# KiCad board design.kicad_pcb
date: 2023-11-12; rev: v1.1; note: Designed by: Shp Athula Kumara; note: www.fiverr.com/jakky91
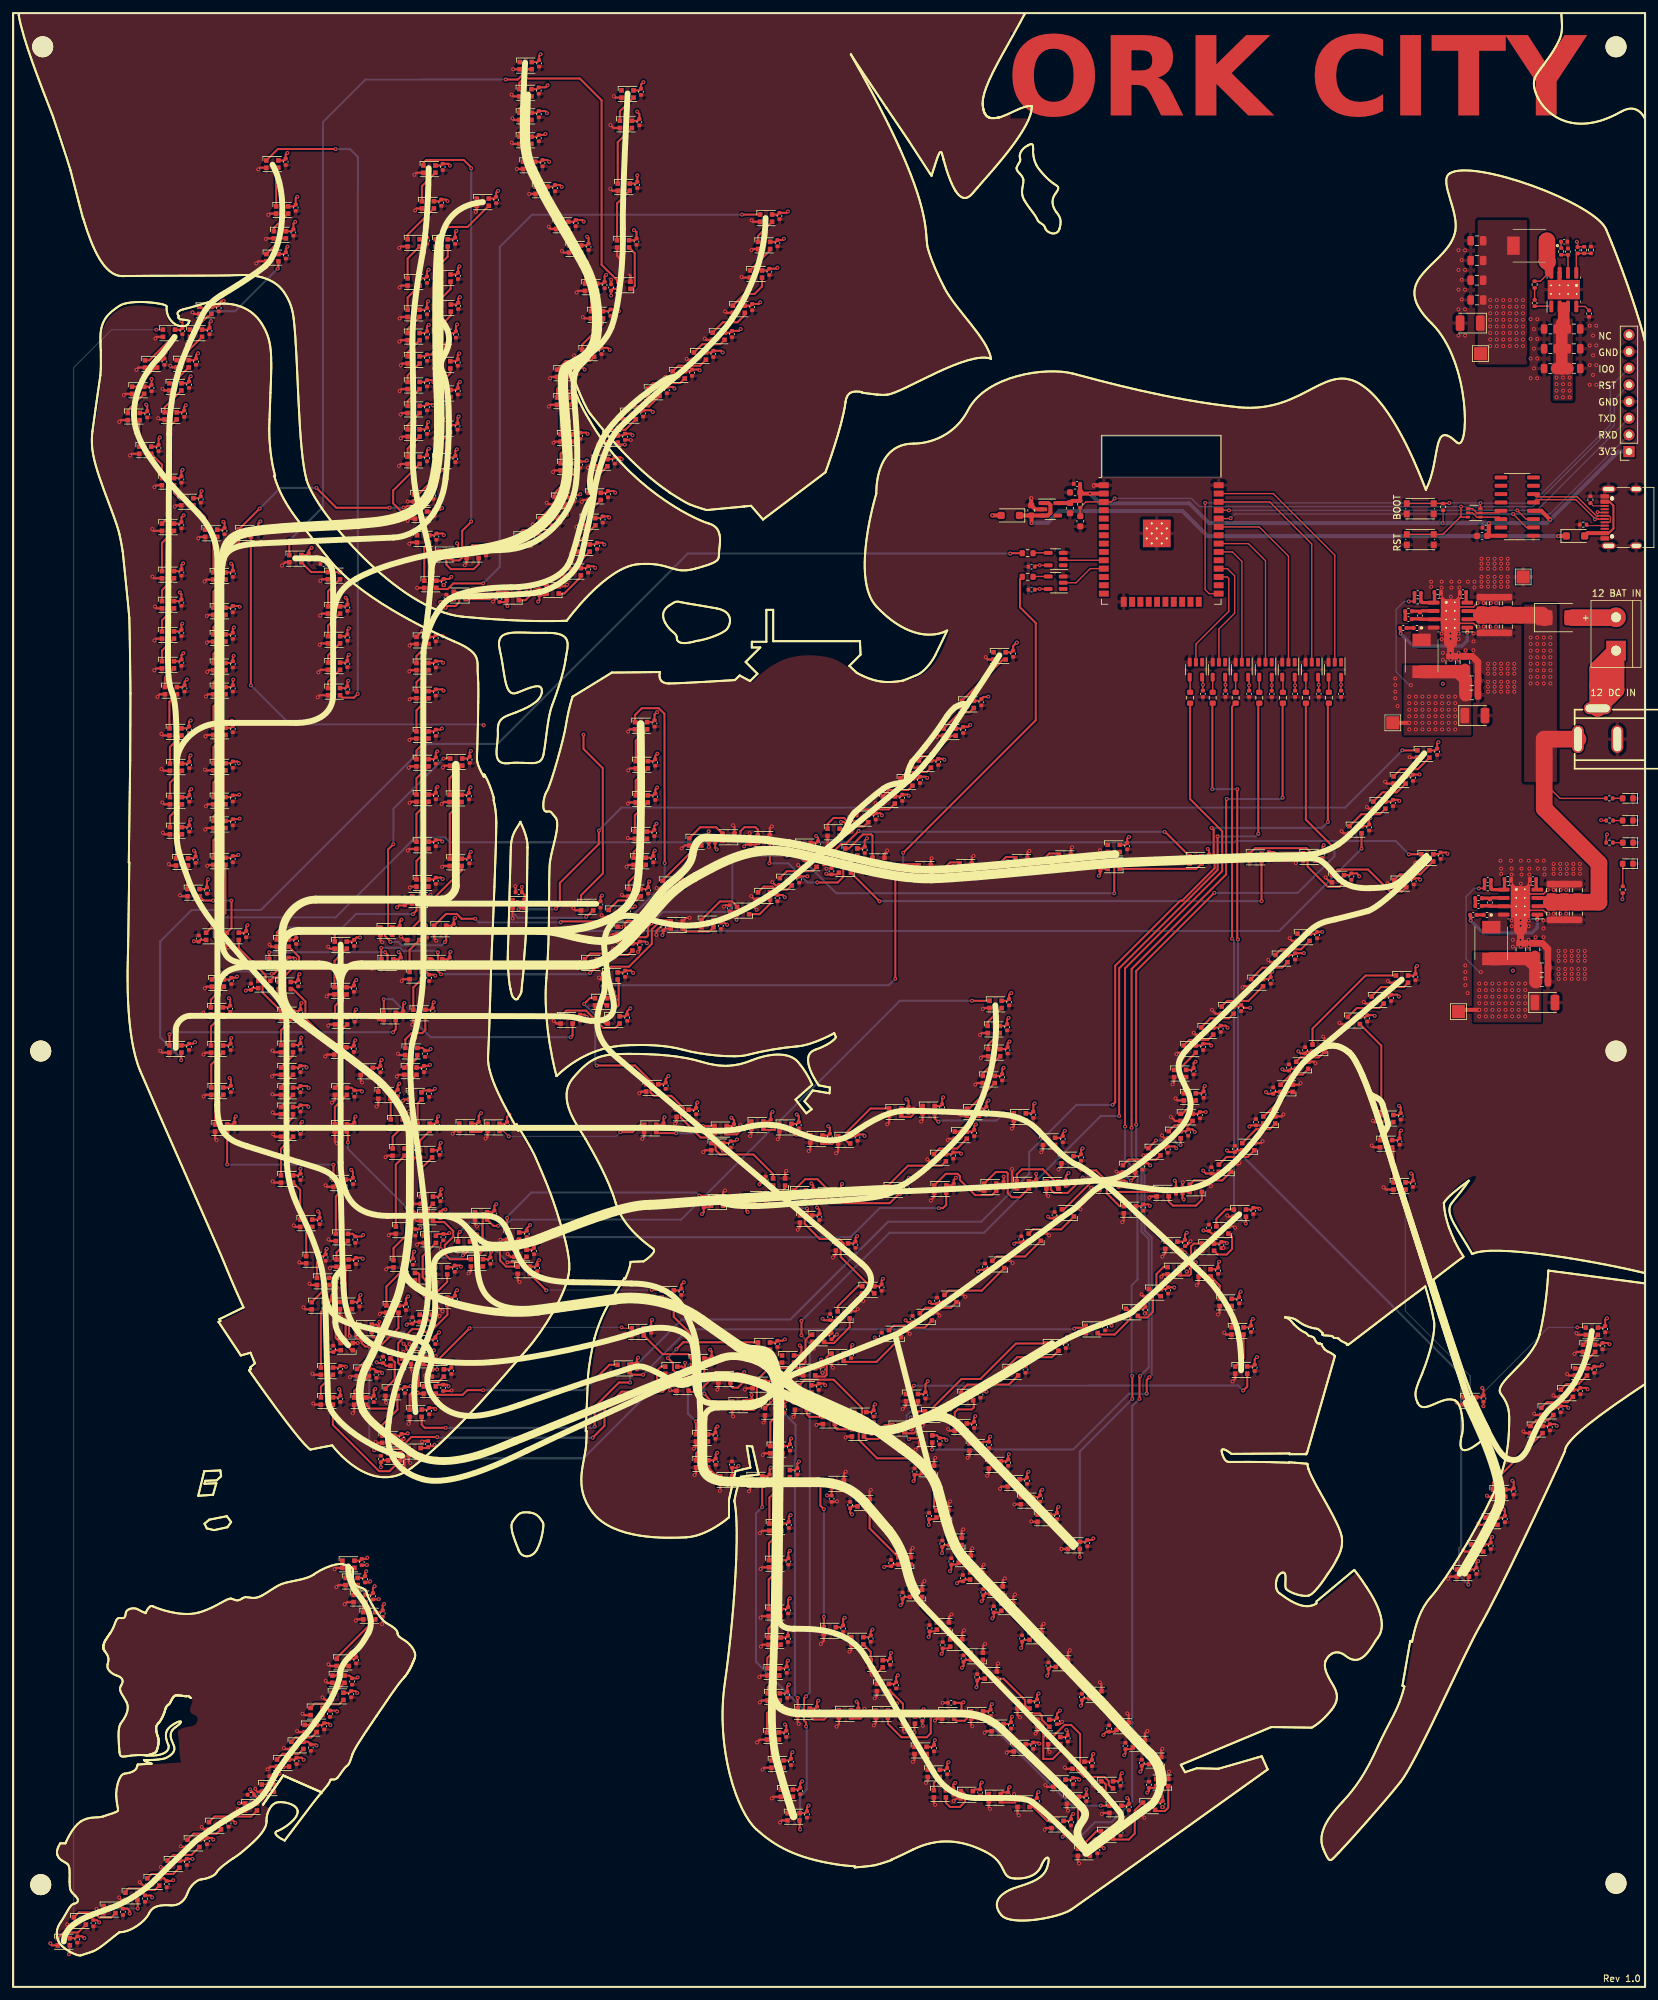
[diagram p0: board, top side]
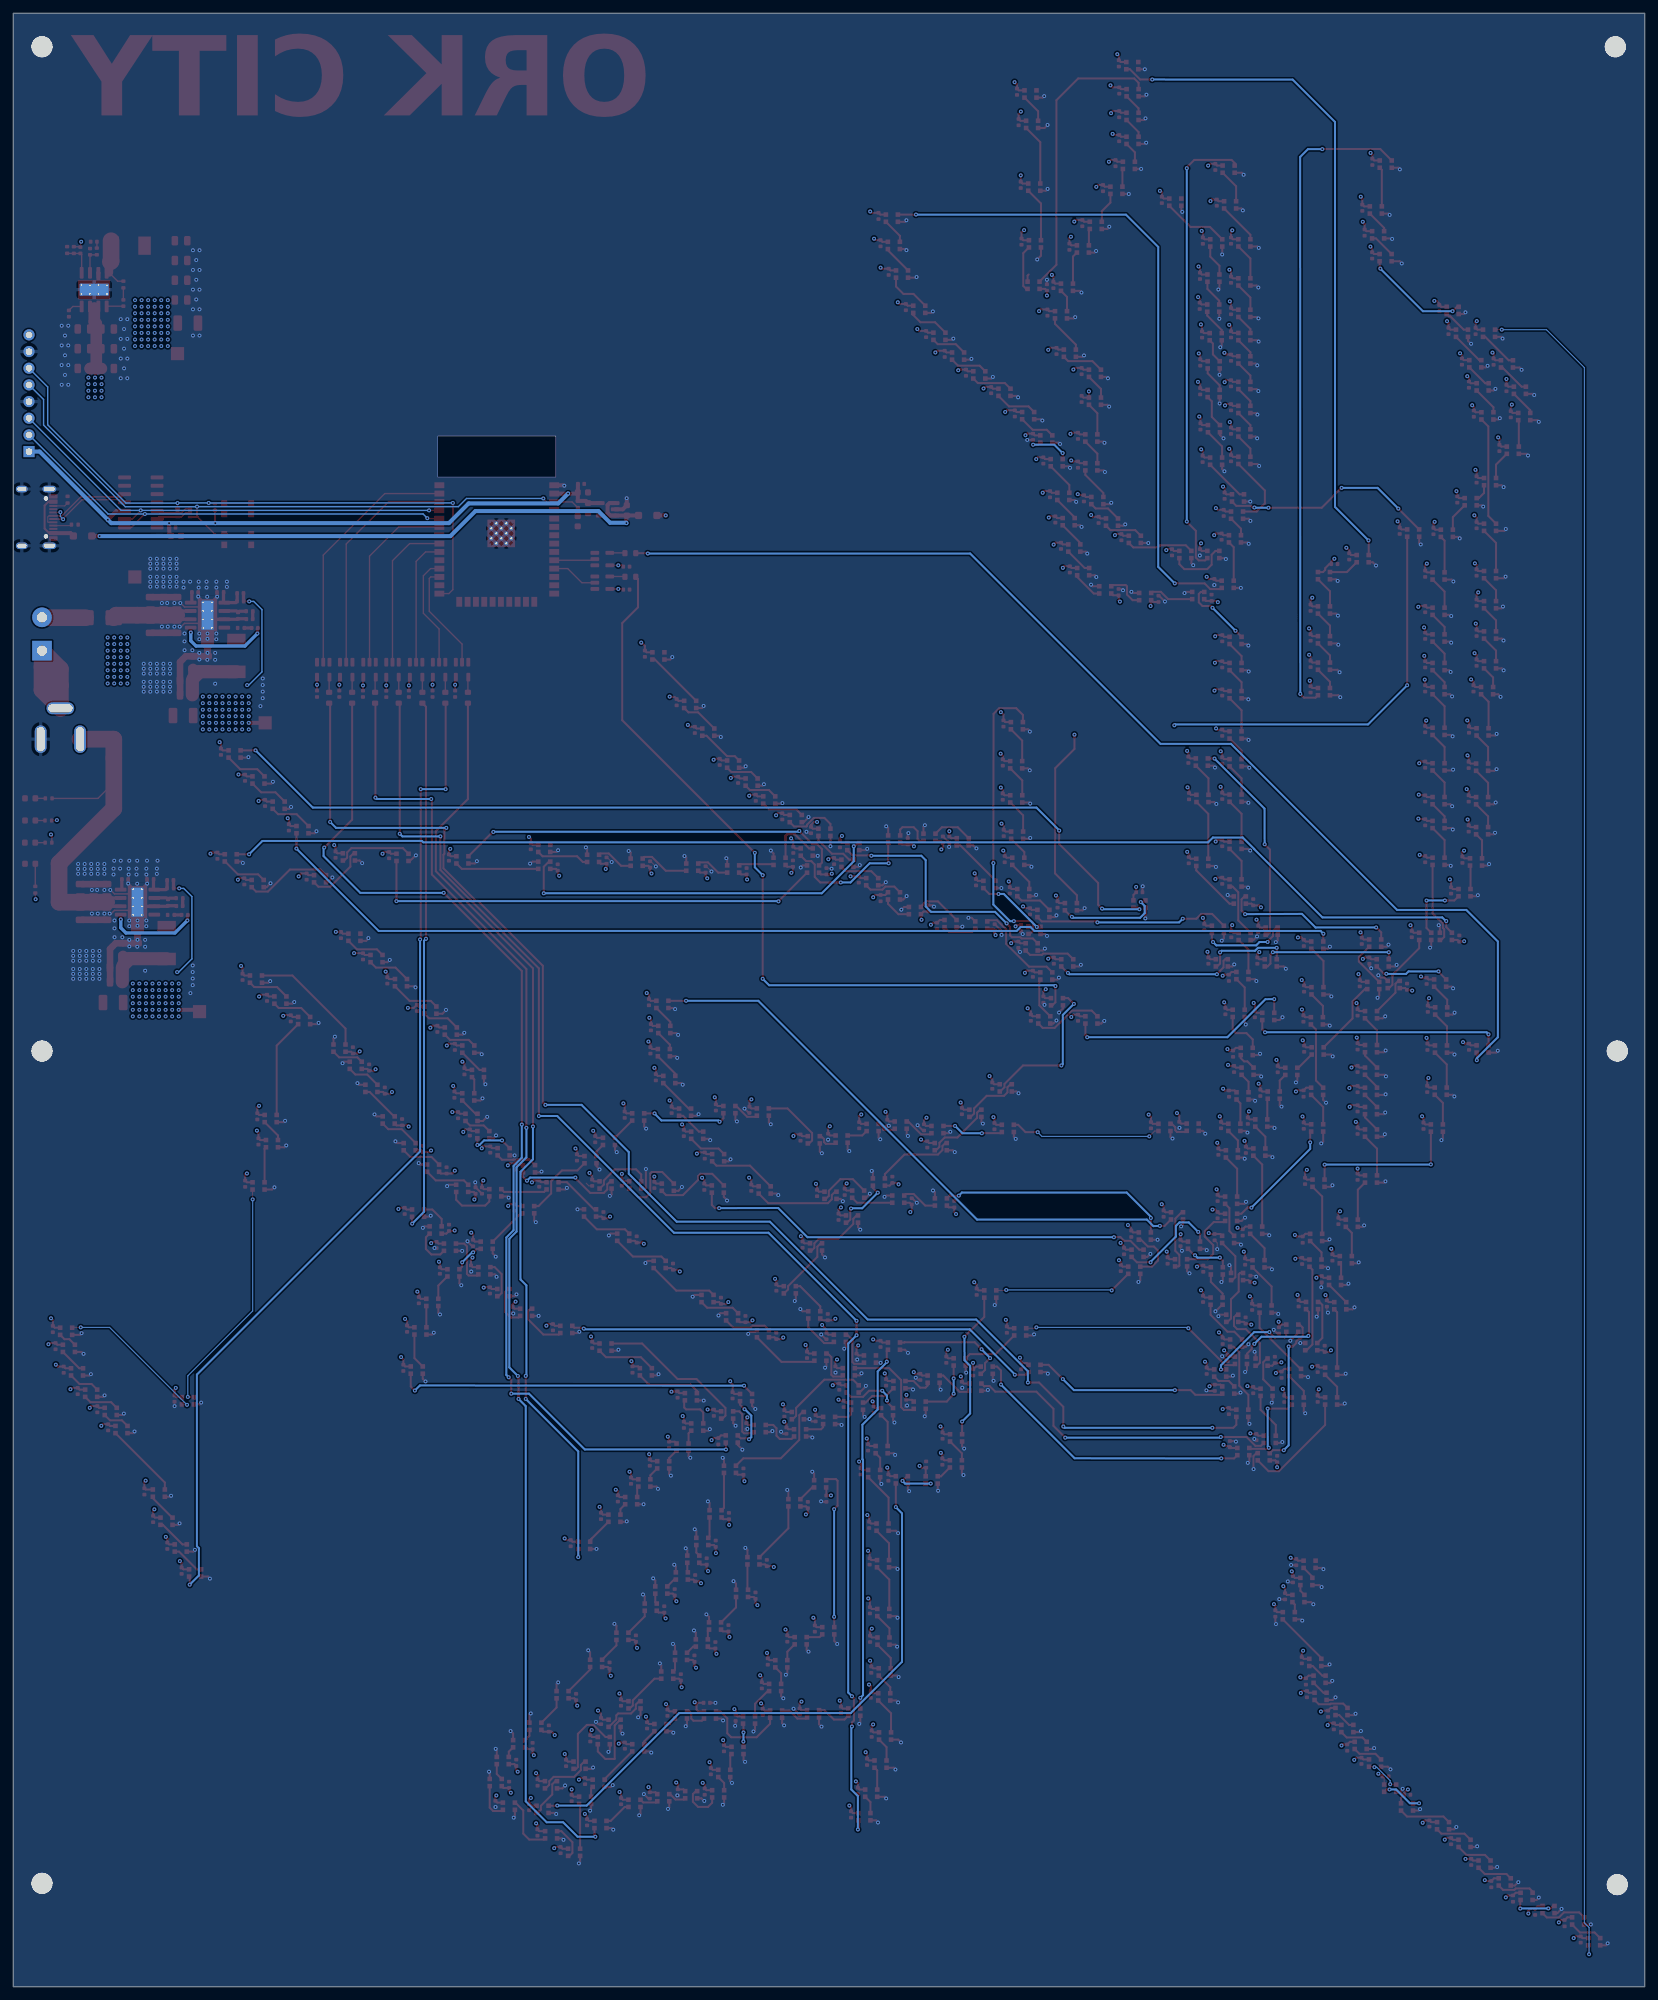
[diagram p1: board, bottom side, seen from below]

Outline 248.6 x 300.7 mm; copper layers: Top, In1.Cu, In2.Cu, Bottom. Coordinates in mm from the lower left corner of the outline.
Outline path: rectangle 0,300.7 248.6,0
Stack: Top 0.035mm / dielectric 0.1mm FR4 er 4.5 / In1.Cu 0.035mm / dielectric 1.24mm FR4 er 4.5 / In2.Cu 0.035mm / dielectric 0.1mm FR4 er 4.5 / Bottom 0.035mm

## Placement (name value [footprint] x y rotation side)
C1  10uF  [C_0603_1608Metric]  223.8 221.05 180 top
C2  0.1uF  [C_0402_1005Metric]  224.34 222.31 180 top
C3  0.1uF  [C_0402_1005Metric]  162.07 228.97 180 top
C4  10uF  [C_0603_1608Metric]  161.79 227.68 180 top
C5  1uF  [C_0603_1608Metric]  162.58 223.28 270 top
C6  10uF  [C_0603_1608Metric]  155.1 224.94 90 top
C7  10uF  [C_0603_1608Metric]  161.01 225.28 270 top
C8  100u  [CP_EIA-3528-21_Kemet-B]  222.7 193.68 0 top
C9  10u 35v  [C_0805_2012Metric]  219.04 201.78 90 top
C10  10u 35v  [C_0805_2012Metric]  221.19 201.78 90 top
C11  10u 35v  [C_0805_2012Metric]  222.22 196.83 0 top
C12  10u 35v  [C_0805_2012Metric]  222.24 198.98 0 top
C13  0.1uF  [C_0402_1005Metric]  211.79 207.03 180 top
C14  nf  [C_0402_1005Metric]  213.99 212.33 0 top
C15  10u 35v  [C_0805_2012Metric]  223.69 207.23 270 top
C16  10u 35v  [C_0805_2012Metric]  223.69 210.78 90 top
C17  10u 35v  [C_0805_2012Metric]  225.67 210.78 90 top
C18  10u 35v  [C_0805_2012Metric]  225.67 207.23 270 top
C19  10u 35v  [C_0805_2012Metric]  227.67 210.78 90 top
C20  10u 35v  [C_0805_2012Metric]  227.67 207.23 270 top
C21  0.1uF  [C_0402_1005Metric]  220.89 212.48 180 top
C22  nf  [C_0402_1005Metric]  214.34 208.92 270 top
C23  1.2nF  [C_0402_1005Metric]  212.59 208.38 0 top
C24  100u  [CP_EIA-3528-21_Kemet-B]  233.37 149.96 0 top
C25  10u 35v  [C_0805_2012Metric]  229.7 158.06 90 top
C26  10u 35v  [C_0805_2012Metric]  231.85 158.06 90 top
C27  10u 35v  [C_0805_2012Metric]  232.89 153.11 0 top
C28  10u 35v  [C_0805_2012Metric]  232.9 155.26 0 top
C29  0.1uF  [C_0402_1005Metric]  222.45 163.31 180 top
C30  nf  [C_0402_1005Metric]  224.65 168.61 0 top
C31  10u 35v  [C_0805_2012Metric]  234.35 163.51 270 top
C32  10u 35v  [C_0805_2012Metric]  234.35 167.06 90 top
C33  10u 35v  [C_0805_2012Metric]  236.34 167.06 90 top
C34  10u 35v  [C_0805_2012Metric]  236.34 163.51 270 top
C35  10u 35v  [C_0805_2012Metric]  238.34 167.06 90 top
C36  10u 35v  [C_0805_2012Metric]  238.34 163.51 270 top
C37  0.1uF  [C_0402_1005Metric]  231.55 168.76 180 top
C38  nf  [C_0402_1005Metric]  225 165.2 270 top
C39  1.2nF  [C_0402_1005Metric]  223.25 164.66 0 top
C40  100u  [CP_EIA-3528-21_Kemet-B]  221.98 253.47 180 top
C41  10u 35v  [C_0805_2012Metric]  223.01 256.99 180 top
C42  10u 35v  [C_0805_2012Metric]  223.01 260 180 top
C43  10u 35v  [C_0805_2012Metric]  223.01 263.01 180 top
C44  10u 35v  [C_0805_2012Metric]  223.01 266.02 180 top
C45  0.1uF  [C_0402_1005Metric]  231.8 256.53 270 top
C46  nf  [C_0402_1005Metric]  238.35 264.57 270 top
C47  10u 35v  [C_0805_2012Metric]  234.2 246.55 180 top
C48  10u 35v  [C_0805_2012Metric]  234.2 249.56 180 top
C49  10u 35v  [C_0805_2012Metric]  234.2 252.57 180 top
C50  10u 35v  [C_0805_2012Metric]  237.8 252.58 0 top
C51  10u 35v  [C_0805_2012Metric]  237.8 249.57 0 top
C52  10u 35v  [C_0805_2012Metric]  237.8 246.56 0 top
C53  0.1uF  [C_0402_1005Metric]  240.1 254.92 270 top
C54  nf  [C_0402_1005Metric]  236.88 264.35 90 top
C55  1.2nF  [C_0402_1005Metric]  236.31 265.87 0 top
C56  0.1uF  [C_0402_1005Metric]  163.66 67.6 270 top
C57  0.1uF  [C_0402_1005Metric]  159.03 71.74 270 top
C58  0.1uF  [C_0402_1005Metric]  156.47 74.41 270 top
C59  0.1uF  [C_0402_1005Metric]  154.46 77.11 270 top
C60  0.1uF  [C_0402_1005Metric]  151.6 79.87 270 top
C61  0.1uF  [C_0402_1005Metric]  148.66 82.57 270 top
C62  0.1uF  [C_0402_1005Metric]  146.41 85.63 270 top
C63  0.1uF  [C_0402_1005Metric]  147.37 90.24 270 top
C64  0.1uF  [C_0402_1005Metric]  154.24 94.05 270 top
C65  0.1uF  [C_0402_1005Metric]  160.38 97.81 270 top
C66  0.1uF  [C_0402_1005Metric]  141.85 87.47 270 top
C67  0.1uF  [C_0402_1005Metric]  136.9 85.4 270 top
C68  0.1uF  [C_0402_1005Metric]  130.79 84.74 270 top
C69  0.1uF  [C_0402_1005Metric]  126.34 86.63 270 top
C70  0.1uF  [C_0402_1005Metric]  122.06 88.81 270 top
C71  0.1uF  [C_0402_1005Metric]  115.6 92.09 270 top
C72  0.1uF  [C_0402_1005Metric]  110.39 92.93 270 top
C73  0.1uF  [C_0402_1005Metric]  104.05 91.71 270 top
C74  0.1uF  [C_0402_1005Metric]  59.18 83.76 270 top
C75  0.1uF  [C_0402_1005Metric]  59.67 90.92 270 top
C76  0.1uF  [C_0402_1005Metric]  56.37 95.52 90 top
C77  0.1uF  [C_0402_1005Metric]  60.83 101.52 90 top
C78  0.1uF  [C_0402_1005Metric]  60.1 107.88 90 top
C79  0.1uF  [C_0402_1005Metric]  65.55 114.22 270 top
C80  0.1uF  [C_0402_1005Metric]  65.09 120.19 270 top
C81  0.1uF  [C_0402_1005Metric]  64.98 127.24 270 top
C82  0.1uF  [C_0402_1005Metric]  64.57 131.29 270 top
C83  0.1uF  [C_0402_1005Metric]  63.35 136.08 270 top
C84  0.1uF  [C_0402_1005Metric]  62.59 139.84 270 top
C85  0.1uF  [C_0402_1005Metric]  62.74 142.17 270 top
C86  0.1uF  [C_0402_1005Metric]  63.91 148.66 270 top
C87  0.1uF  [C_0402_1005Metric]  63.37 153.73 270 top
C88  0.1uF  [C_0402_1005Metric]  63.01 160.37 270 top
C89  0.1uF  [C_0402_1005Metric]  64.39 168.52 270 top
C90  0.1uF  [C_0402_1005Metric]  64.39 174.26 270 top
C91  0.1uF  [C_0402_1005Metric]  64.39 181.44 270 top
C92  0.1uF  [C_0402_1005Metric]  64.39 186.83 270 top
C93  0.1uF  [C_0402_1005Metric]  64.39 191.07 270 top
C94  0.1uF  [C_0402_1005Metric]  64.39 197.21 270 top
C95  0.1uF  [C_0402_1005Metric]  64.39 201.49 270 top
C96  0.1uF  [C_0402_1005Metric]  64.39 205.47 270 top
C97  0.1uF  [C_0402_1005Metric]  66.02 211.63 90 top
C98  0.1uF  [C_0402_1005Metric]  74.1 211.47 90 top
C99  0.1uF  [C_0402_1005Metric]  80.18 212.49 90 top
C100  0.1uF  [C_0402_1005Metric]  87.61 215.95 270 top
C101  0.1uF  [C_0402_1005Metric]  88.95 219.55 270 top
C102  0.1uF  [C_0402_1005Metric]  89.82 223.56 270 top
C103  0.1uF  [C_0402_1005Metric]  90.63 227.41 270 top
C104  0.1uF  [C_0402_1005Metric]  91.65 232.55 270 top
C105  0.1uF  [C_0402_1005Metric]  93.22 236.16 270 top
C106  0.1uF  [C_0402_1005Metric]  95.99 239.72 270 top
C107  0.1uF  [C_0402_1005Metric]  99.6 243.27 270 top
C108  0.1uF  [C_0402_1005Metric]  103.43 245.92 270 top
C109  0.1uF  [C_0402_1005Metric]  106.67 248.79 270 top
C110  0.1uF  [C_0402_1005Metric]  109.51 251.81 270 top
C111  0.1uF  [C_0402_1005Metric]  112.59 255.92 270 top
C112  0.1uF  [C_0402_1005Metric]  115.21 261.29 270 top
C113  0.1uF  [C_0402_1005Metric]  116.45 265.65 270 top
C114  0.1uF  [C_0402_1005Metric]  116.76 269.8 270 top
C115  0.1uF  [C_0402_1005Metric]  181.26 197 270 top
C116  0.1uF  [C_0402_1005Metric]  95.66 288.72 270 top
C117  0.1uF  [C_0402_1005Metric]  95.41 284.09 270 top
C118  0.1uF  [C_0402_1005Metric]  95.09 274.53 270 top
C119  0.1uF  [C_0402_1005Metric]  94.97 265.89 270 top
C120  0.1uF  [C_0402_1005Metric]  91.1 258.9 90 top
C121  0.1uF  [C_0402_1005Metric]  80.08 288.91 270 top
C122  0.1uF  [C_0402_1005Metric]  80.09 285.31 270 top
C123  0.1uF  [C_0402_1005Metric]  80.09 281.66 270 top
C124  0.1uF  [C_0402_1005Metric]  80.66 277.85 270 top
C125  0.1uF  [C_0402_1005Metric]  82.55 274.05 270 top
C126  0.1uF  [C_0402_1005Metric]  85.71 268.71 270 top
C127  0.1uF  [C_0402_1005Metric]  87.67 265.11 270 top
C128  0.1uF  [C_0402_1005Metric]  90.11 259.28 270 top
C129  0.1uF  [C_0402_1005Metric]  91.02 255.08 270 top
C130  0.1uF  [C_0402_1005Metric]  89.64 249.23 270 top
C131  0.1uF  [C_0402_1005Metric]  85.81 246.17 270 top
C132  0.1uF  [C_0402_1005Metric]  85.81 241.92 270 top
C133  0.1uF  [C_0402_1005Metric]  86.37 236.31 270 top
C134  0.1uF  [C_0402_1005Metric]  86.37 231.92 270 top
C135  0.1uF  [C_0402_1005Metric]  85.46 226.78 270 top
C136  0.1uF  [C_0402_1005Metric]  83.22 223.5 270 top
C137  0.1uF  [C_0402_1005Metric]  79.75 220.87 270 top
C138  0.1uF  [C_0402_1005Metric]  72.04 218.56 270 top
C139  0.1uF  [C_0402_1005Metric]  67.79 218.56 270 top
C140  0.1uF  [C_0402_1005Metric]  65.45 277.27 270 top
C141  0.1uF  [C_0402_1005Metric]  65.22 271.83 270 top
C142  0.1uF  [C_0402_1005Metric]  63.05 266.04 270 top
C143  0.1uF  [C_0402_1005Metric]  63.05 260.09 270 top
C144  0.1uF  [C_0402_1005Metric]  63.05 255.3 270 top
C145  0.1uF  [C_0402_1005Metric]  63.05 251.76 270 top
C146  0.1uF  [C_0402_1005Metric]  63.05 248.21 270 top
C147  0.1uF  [C_0402_1005Metric]  63.05 244.31 270 top
C148  0.1uF  [C_0402_1005Metric]  63.05 240.66 270 top
C149  0.1uF  [C_0402_1005Metric]  63.05 237.08 270 top
C150  0.1uF  [C_0402_1005Metric]  63.05 232.9 270 top
C151  0.1uF  [C_0402_1005Metric]  64.17 224.56 270 top
C152  0.1uF  [C_0402_1005Metric]  64.49 220.95 270 top
C153  0.1uF  [C_0402_1005Metric]  65.59 214.02 270 top
C154  0.1uF  [C_0402_1005Metric]  184.7 197 270 top
C155  0.1uF  [C_0402_1005Metric]  222.93 63.4 270 top
C156  0.1uF  [C_0402_1005Metric]  225.11 67.2 270 top
C157  0.1uF  [C_0402_1005Metric]  227.27 71.28 270 top
C158  0.1uF  [C_0402_1005Metric]  228.6 75.48 270 top
C159  0.1uF  [C_0402_1005Metric]  234.12 85.25 270 top
C160  0.1uF  [C_0402_1005Metric]  235.77 88.01 270 top
C161  0.1uF  [C_0402_1005Metric]  238.76 90.78 270 top
C162  0.1uF  [C_0402_1005Metric]  240.9 94.03 270 top
C163  0.1uF  [C_0402_1005Metric]  242.14 97.62 270 top
C164  0.1uF  [C_0402_1005Metric]  242.55 100.22 270 top
C165  0.1uF  [C_0402_1005Metric]  224.01 89.63 270 top
C166  0.1uF  [C_0402_1005Metric]  213.25 122.36 270 top
C167  0.1uF  [C_0402_1005Metric]  211.22 128.8 270 top
C168  0.1uF  [C_0402_1005Metric]  211.4 132.63 270 top
C169  0.1uF  [C_0402_1005Metric]  206.3 147.56 270 top
C170  0.1uF  [C_0402_1005Metric]  209.92 150.68 270 top
C171  0.1uF  [C_0402_1005Metric]  213.65 153.87 270 top
C172  0.1uF  [C_0402_1005Metric]  196.84 142.68 90 top
C173  0.1uF  [C_0402_1005Metric]  194.36 140.06 90 top
C174  0.1uF  [C_0402_1005Metric]  191.97 136.55 90 top
C175  0.1uF  [C_0402_1005Metric]  189.34 131.73 90 top
C176  0.1uF  [C_0402_1005Metric]  186.13 127.66 90 top
C177  0.1uF  [C_0402_1005Metric]  182.56 124.39 90 top
C178  0.1uF  [C_0402_1005Metric]  178.15 121.32 90 top
C179  0.1uF  [C_0402_1005Metric]  177.17 121.32 270 top
C180  0.1uF  [C_0402_1005Metric]  168.44 122.38 270 top
C181  0.1uF  [C_0402_1005Metric]  158.66 117.57 90 top
C182  0.1uF  [C_0402_1005Metric]  153.6 113.87 90 top
C183  0.1uF  [C_0402_1005Metric]  148.06 109.72 90 top
C184  0.1uF  [C_0402_1005Metric]  140.76 104.53 90 top
C185  0.1uF  [C_0402_1005Metric]  137.03 101.74 90 top
C186  0.1uF  [C_0402_1005Metric]  132.32 99.17 90 top
C187  0.1uF  [C_0402_1005Metric]  127.65 96.28 270 top
C188  0.1uF  [C_0402_1005Metric]  123.32 94.05 270 top
C189  0.1uF  [C_0402_1005Metric]  112.53 88.96 270 top
C190  0.1uF  [C_0402_1005Metric]  106.42 95.55 270 top
C191  0.1uF  [C_0402_1005Metric]  97.2 100.13 270 top
C192  0.1uF  [C_0402_1005Metric]  63.58 95.79 270 top
C193  0.1uF  [C_0402_1005Metric]  52.75 104.14 270 top
C194  0.1uF  [C_0402_1005Metric]  48.78 97.2 90 top
C195  0.1uF  [C_0402_1005Metric]  52.22 110.6 270 top
C196  0.1uF  [C_0402_1005Metric]  52.13 113.84 270 top
C197  0.1uF  [C_0402_1005Metric]  51.77 122.78 270 top
C198  0.1uF  [C_0402_1005Metric]  33.73 131.18 270 top
C199  0.1uF  [C_0402_1005Metric]  33.16 136.8 270 top
C200  0.1uF  [C_0402_1005Metric]  33.13 143.22 270 top
C201  0.1uF  [C_0402_1005Metric]  33.07 149.02 270 top
C202  0.1uF  [C_0402_1005Metric]  33.25 153.27 270 top
C203  0.1uF  [C_0402_1005Metric]  41.97 156.35 270 top
C204  0.1uF  [C_0402_1005Metric]  59.04 156.35 270 top
C205  0.1uF  [C_0402_1005Metric]  66.5 156.35 270 top
C206  0.1uF  [C_0402_1005Metric]  90.05 156.35 270 top
C207  0.1uF  [C_0402_1005Metric]  95.45 158.78 270 top
C208  0.1uF  [C_0402_1005Metric]  122.63 174.07 270 top
C209  0.1uF  [C_0402_1005Metric]  165.63 170.54 90 top
C210  0.1uF  [C_0402_1005Metric]  182.2 172.04 270 top
C211  0.1uF  [C_0402_1005Metric]  124.68 169.96 90 top
C212  0.1uF  [C_0402_1005Metric]  191.32 172.42 270 top
C213  0.1uF  [C_0402_1005Metric]  199.48 172.49 270 top
C214  0.1uF  [C_0402_1005Metric]  203.89 169.16 270 top
C215  0.1uF  [C_0402_1005Metric]  213.38 168.43 270 top
C216  0.1uF  [C_0402_1005Metric]  217.48 172.34 270 top
C217  0.1uF  [C_0402_1005Metric]  53.12 64.72 270 top
C218  0.1uF  [C_0402_1005Metric]  53.62 62.1 270 top
C219  0.1uF  [C_0402_1005Metric]  54.82 59.51 270 top
C220  0.1uF  [C_0402_1005Metric]  56.3 56.88 270 top
C221  0.1uF  [C_0402_1005Metric]  52.27 49.77 270 top
C222  0.1uF  [C_0402_1005Metric]  51.64 46.53 270 top
C223  0.1uF  [C_0402_1005Metric]  51.49 44.6 270 top
C224  0.1uF  [C_0402_1005Metric]  48.27 41.61 270 top
C225  0.1uF  [C_0402_1005Metric]  47.39 39.7 270 top
C226  0.1uF  [C_0402_1005Metric]  45.35 36.45 270 top
C227  0.1uF  [C_0402_1005Metric]  43.18 34.44 270 top
C228  0.1uF  [C_0402_1005Metric]  39.5 32.07 180 top
C229  0.1uF  [C_0402_1005Metric]  36.2 29.27 180 top
C230  0.1uF  [C_0402_1005Metric]  32.83 24.89 270 top
C231  0.1uF  [C_0402_1005Metric]  29.52 22.21 270 top
C232  0.1uF  [C_0402_1005Metric]  26.46 19.04 270 top
C233  0.1uF  [C_0402_1005Metric]  23.4 15.65 270 top
C234  0.1uF  [C_0402_1005Metric]  20.09 13.45 270 top
C235  0.1uF  [C_0402_1005Metric]  16.72 11.44 270 top
C236  0.1uF  [C_0402_1005Metric]  12.23 9.7 270 top
C237  0.1uF  [C_0402_1005Metric]  9.78 7.22 270 top
C238  0.1uF  [C_0402_1005Metric]  25.79 252.27 270 top
C239  0.1uF  [C_0402_1005Metric]  23.05 247.6 270 top
C240  0.1uF  [C_0402_1005Metric]  21.09 243.58 270 top
C241  0.1uF  [C_0402_1005Metric]  20.43 239.58 270 top
C242  0.1uF  [C_0402_1005Metric]  22.16 234.45 270 top
C243  0.1uF  [C_0402_1005Metric]  25.64 229.65 270 top
C244  0.1uF  [C_0402_1005Metric]  28.58 226.6 270 top
C245  0.1uF  [C_0402_1005Metric]  32.21 221.79 270 top
C246  0.1uF  [C_0402_1005Metric]  33.47 215.29 270 top
C247  0.1uF  [C_0402_1005Metric]  33.47 209.91 270 top
C248  0.1uF  [C_0402_1005Metric]  33.47 205.84 270 top
C249  0.1uF  [C_0402_1005Metric]  33.47 201.49 270 top
C250  0.1uF  [C_0402_1005Metric]  33.47 197.82 270 top
C251  0.1uF  [C_0402_1005Metric]  33.47 191.62 270 top
C252  0.1uF  [C_0402_1005Metric]  33.47 186.21 270 top
C253  0.1uF  [C_0402_1005Metric]  33.47 181.06 270 top
C254  0.1uF  [C_0402_1005Metric]  33.47 177.43 270 top
C255  0.1uF  [C_0402_1005Metric]  33.47 171.82 270 top
C256  0.1uF  [C_0402_1005Metric]  28.27 159.71 90 top
C257  0.1uF  [C_0402_1005Metric]  188.94 118.22 270 top
C258  0.1uF  [C_0402_1005Metric]  182.19 115.65 90 top
C259  0.1uF  [C_0402_1005Metric]  184.09 113.03 270 top
C260  0.1uF  [C_0402_1005Metric]  178.84 109.44 270 top
C261  0.1uF  [C_0402_1005Metric]  175.96 106.11 270 top
C262  0.1uF  [C_0402_1005Metric]  172.5 103.11 270 top
C263  0.1uF  [C_0402_1005Metric]  166.36 100.5 270 top
C264  0.1uF  [C_0402_1005Metric]  95.03 94.56 270 top
C265  0.1uF  [C_0402_1005Metric]  65.52 91.27 270 top
C266  0.1uF  [C_0402_1005Metric]  66.76 93.86 270 top
C267  0.1uF  [C_0402_1005Metric]  55.75 100.01 270 top
C268  0.1uF  [C_0402_1005Metric]  56.02 80.42 90 top
C269  0.1uF  [C_0402_1005Metric]  49.85 89.6 270 top
C270  0.1uF  [C_0402_1005Metric]  49.85 94.14 270 top
C271  0.1uF  [C_0402_1005Metric]  48.45 104.11 270 top
C272  0.1uF  [C_0402_1005Metric]  49.24 107.82 270 top
C273  0.1uF  [C_0402_1005Metric]  47.6 111.12 270 top
C274  0.1uF  [C_0402_1005Metric]  46.69 116.68 270 top
C275  0.1uF  [C_0402_1005Metric]  43.77 123.42 270 top
C276  0.1uF  [C_0402_1005Metric]  43.77 130.42 270 top
C277  0.1uF  [C_0402_1005Metric]  43.77 133.84 270 top
C278  0.1uF  [C_0402_1005Metric]  43.77 136.78 270 top
C279  0.1uF  [C_0402_1005Metric]  43.77 139.85 270 top
C280  0.1uF  [C_0402_1005Metric]  43.77 143.28 270 top
C281  0.1uF  [C_0402_1005Metric]  43.77 148.45 270 top
C282  0.1uF  [C_0402_1005Metric]  36.23 152.37 90 top
C283  0.1uF  [C_0402_1005Metric]  35.51 160.39 270 top
C284  0.1uF  [C_0402_1005Metric]  29.52 167.04 270 top
C285  0.1uF  [C_0402_1005Metric]  27.8 171.72 270 top
C286  0.1uF  [C_0402_1005Metric]  26.84 176.48 270 top
C287  0.1uF  [C_0402_1005Metric]  26.84 181.05 270 top
C288  0.1uF  [C_0402_1005Metric]  26.84 186.16 270 top
C289  0.1uF  [C_0402_1005Metric]  26.79 191.54 270 top
C290  0.1uF  [C_0402_1005Metric]  26.11 197.82 270 top
C291  0.1uF  [C_0402_1005Metric]  25.64 201.74 270 top
C292  0.1uF  [C_0402_1005Metric]  25.64 206.28 270 top
C293  0.1uF  [C_0402_1005Metric]  25.64 210.89 270 top
C294  0.1uF  [C_0402_1005Metric]  25.64 215.47 270 top
C295  0.1uF  [C_0402_1005Metric]  25.64 222.69 270 top
C296  0.1uF  [C_0402_1005Metric]  26.06 239.68 270 top
C297  0.1uF  [C_0402_1005Metric]  26.8 244.1 270 top
C298  0.1uF  [C_0402_1005Metric]  27.87 247.62 270 top
C299  0.1uF  [C_0402_1005Metric]  29.92 252.27 270 top
C300  0.1uF  [C_0402_1005Metric]  31.32 255.75 270 top
C301  0.1uF  [C_0402_1005Metric]  41.55 263.79 270 top
C302  0.1uF  [C_0402_1005Metric]  42.7 267.27 270 top
C303  0.1uF  [C_0402_1005Metric]  43.05 271.05 270 top
C304  0.1uF  [C_0402_1005Metric]  41.52 278.04 270 top
C305  0.1uF  [C_0402_1005Metric]  50.93 197.67 270 top
C306  0.1uF  [C_0402_1005Metric]  50.93 201.55 270 top
C307  0.1uF  [C_0402_1005Metric]  50.93 205.57 270 top
C308  0.1uF  [C_0402_1005Metric]  50.93 210.11 270 top
C309  0.1uF  [C_0402_1005Metric]  47.3 216.77 180 top
C310  0.1uF  [C_0402_1005Metric]  45.04 217.93 270 top
C311  0.1uF  [C_0402_1005Metric]  80.14 293.04 270 top
C312  0.1uF  [C_0402_1005Metric]  188.3 197 270 top
C313  0.1uF  [C_0402_1005Metric]  120.94 26.26 270 top
C314  0.1uF  [C_0402_1005Metric]  119.91 29.85 270 top
C315  0.1uF  [C_0402_1005Metric]  118.5 34.28 270 top
C316  0.1uF  [C_0402_1005Metric]  117.8 38.56 270 top
C317  0.1uF  [C_0402_1005Metric]  117.94 44.52 270 top
C318  0.1uF  [C_0402_1005Metric]  117.86 48.32 270 top
C319  0.1uF  [C_0402_1005Metric]  118.04 53.02 270 top
C320  0.1uF  [C_0402_1005Metric]  118.07 57.37 270 top
C321  0.1uF  [C_0402_1005Metric]  118.11 64.81 270 top
C322  0.1uF  [C_0402_1005Metric]  118.18 70.38 270 top
C323  0.1uF  [C_0402_1005Metric]  119.47 78.54 270 top
C324  0.1uF  [C_0402_1005Metric]  118.35 82.19 270 top
C325  0.1uF  [C_0402_1005Metric]  117.49 87.97 270 top
C326  0.1uF  [C_0402_1005Metric]  122.73 91.44 270 top
C327  0.1uF  [C_0402_1005Metric]  131.1 87.37 270 top
C328  0.1uF  [C_0402_1005Metric]  137.34 78.51 90 top
C329  0.1uF  [C_0402_1005Metric]  139.54 71.73 90 top